# Altium PCB S3220A.PcbDoc (part 1 of 3) (continued)
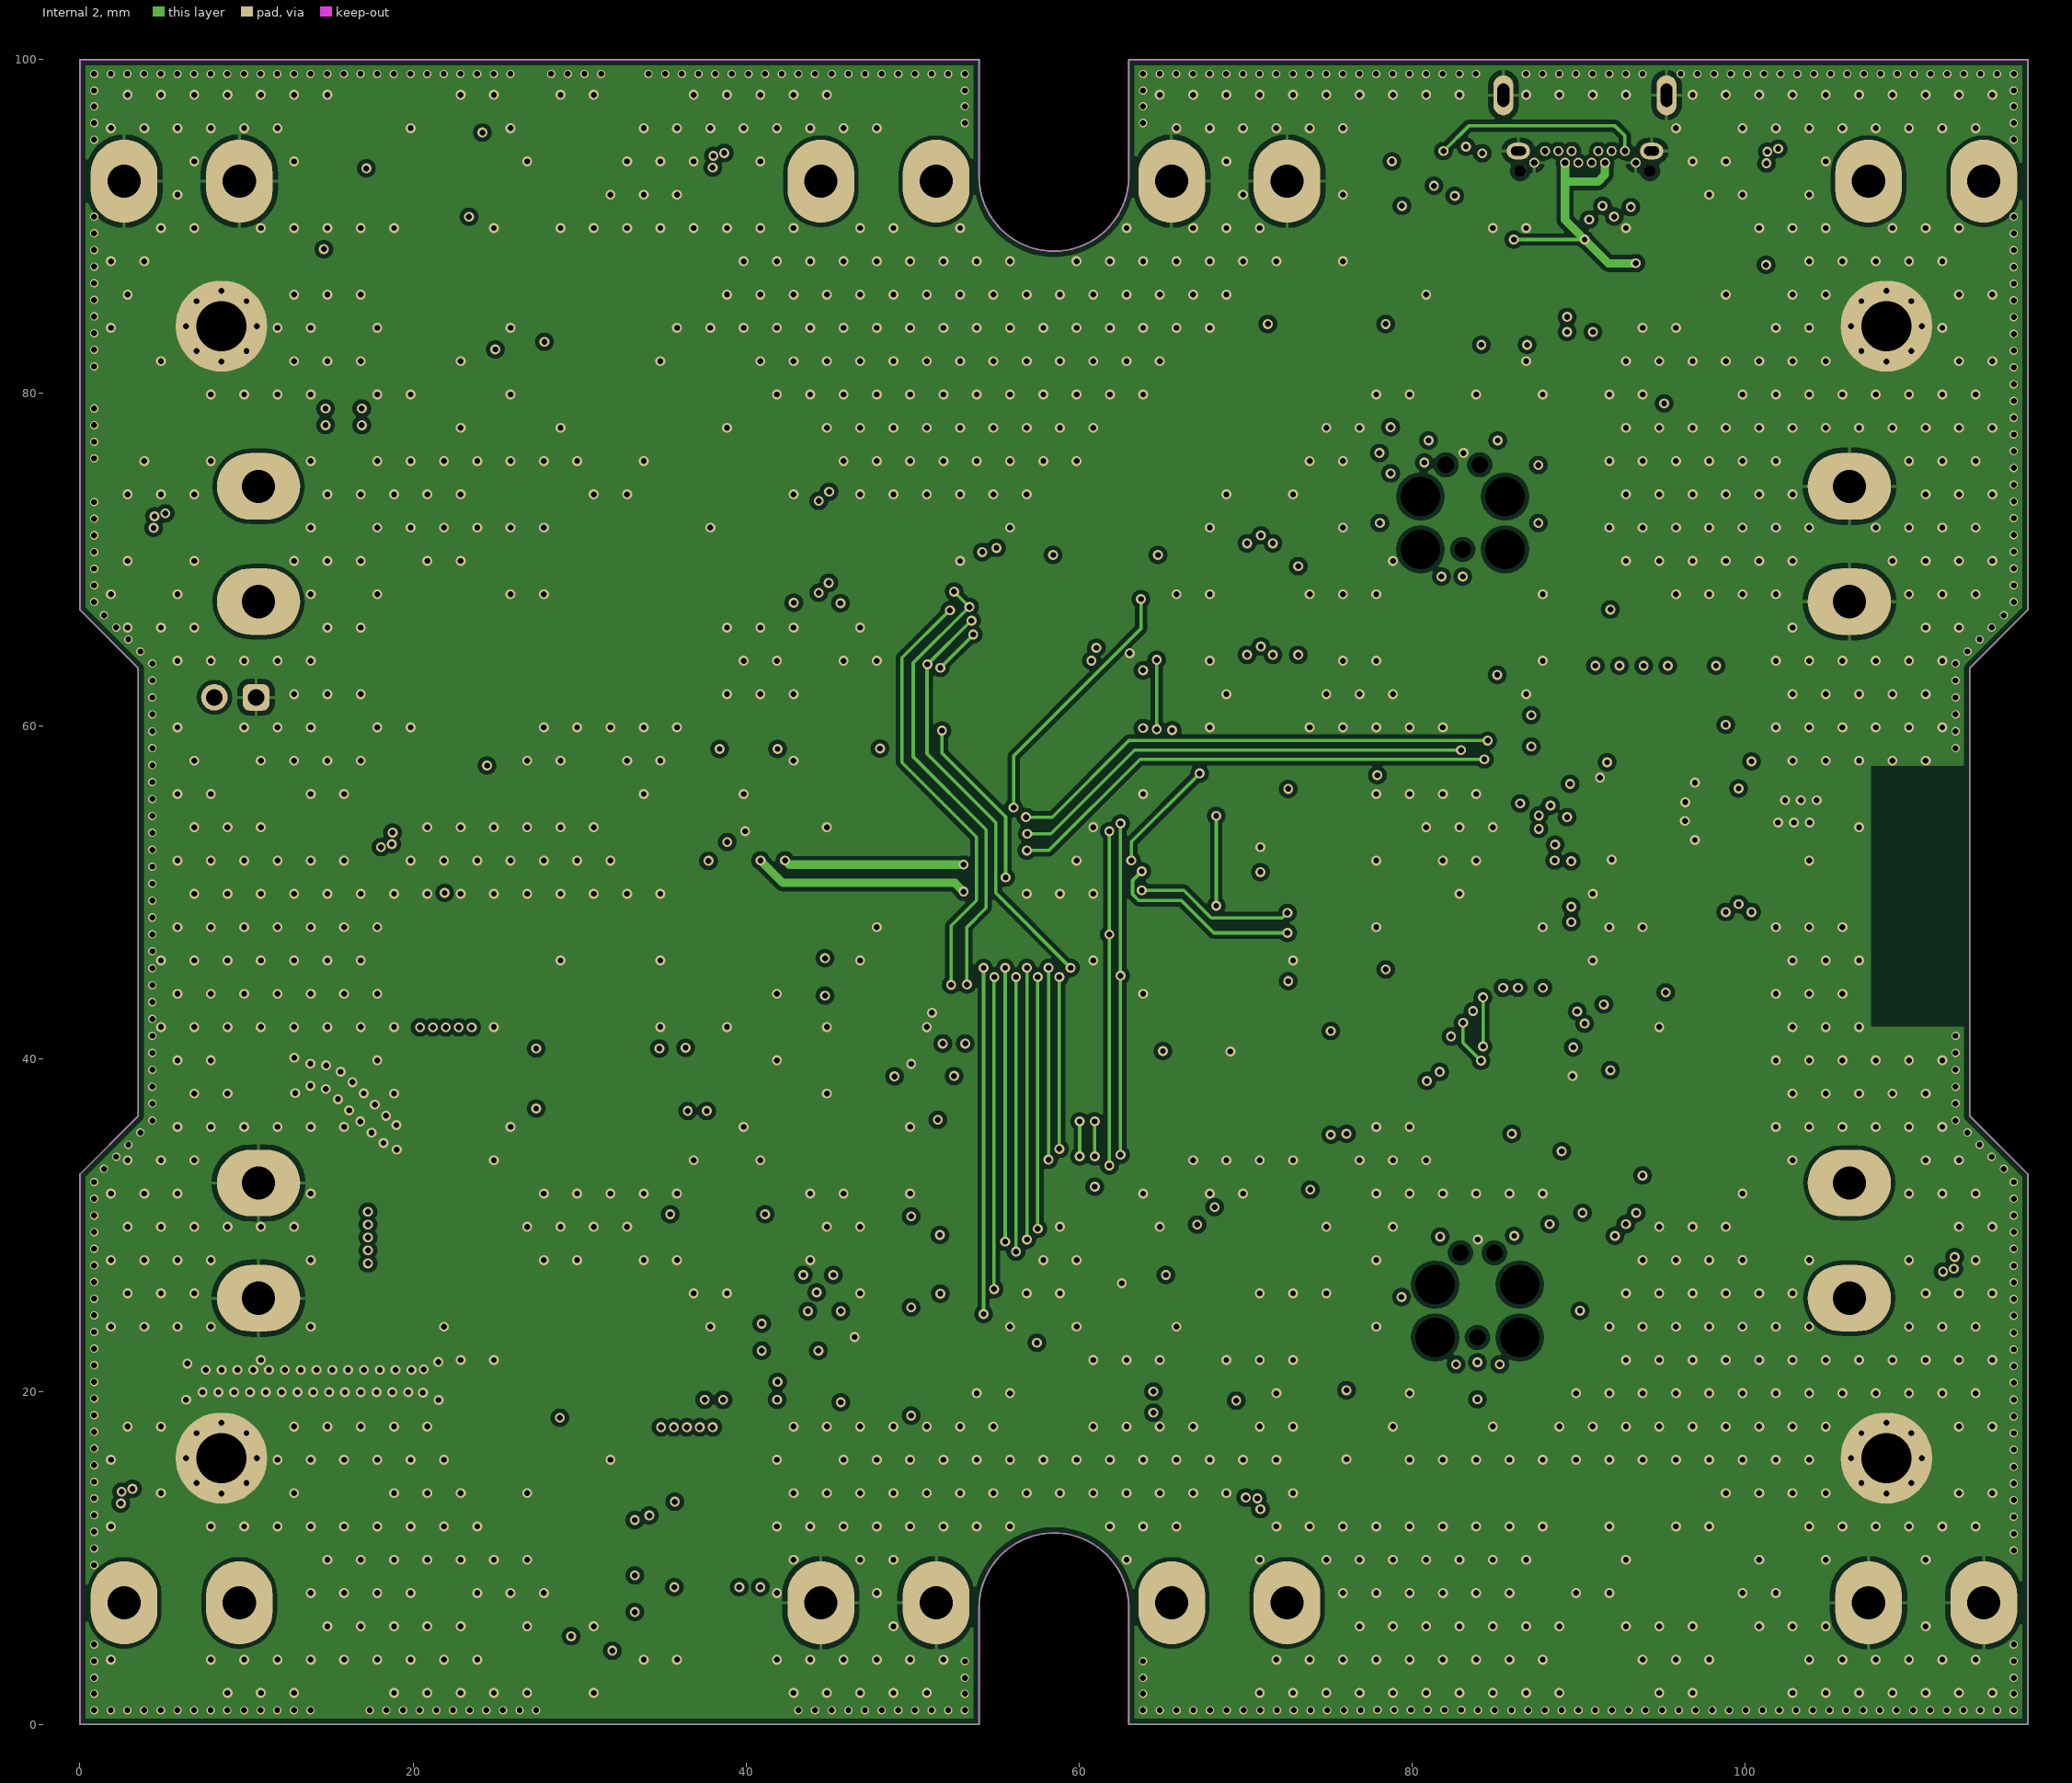
[diagram p3: Internal 2]
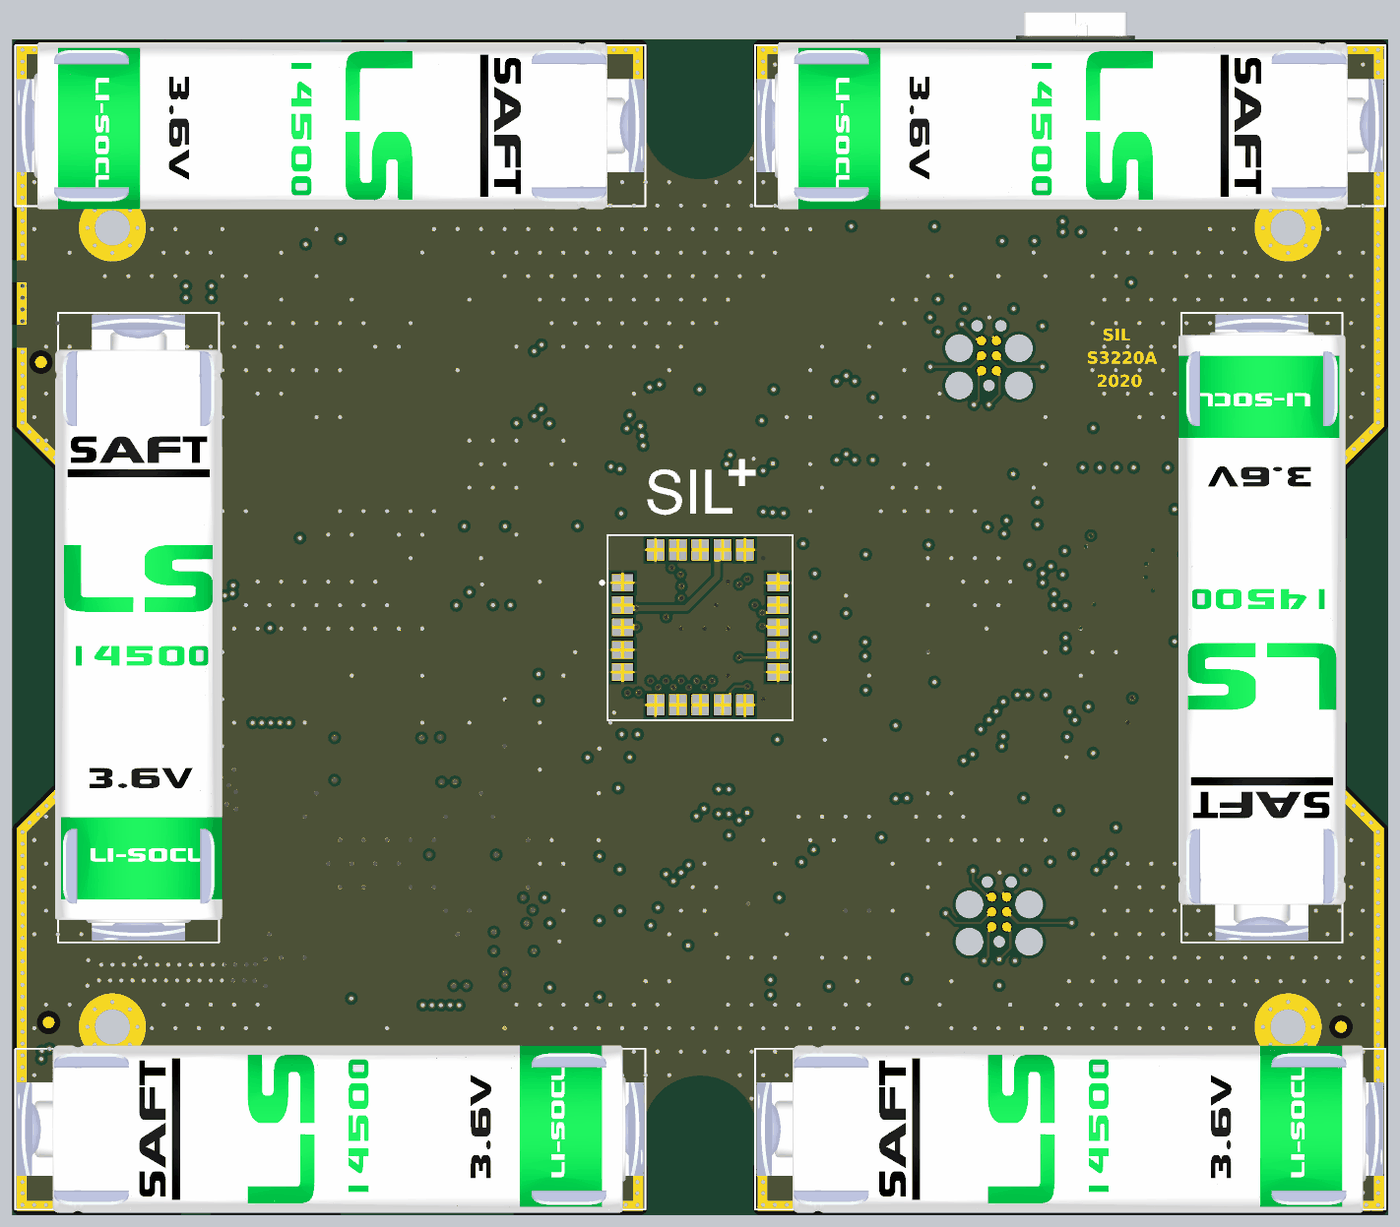
[diagram p6: 3D render of the assembled board from above, using the file's embedded part models]
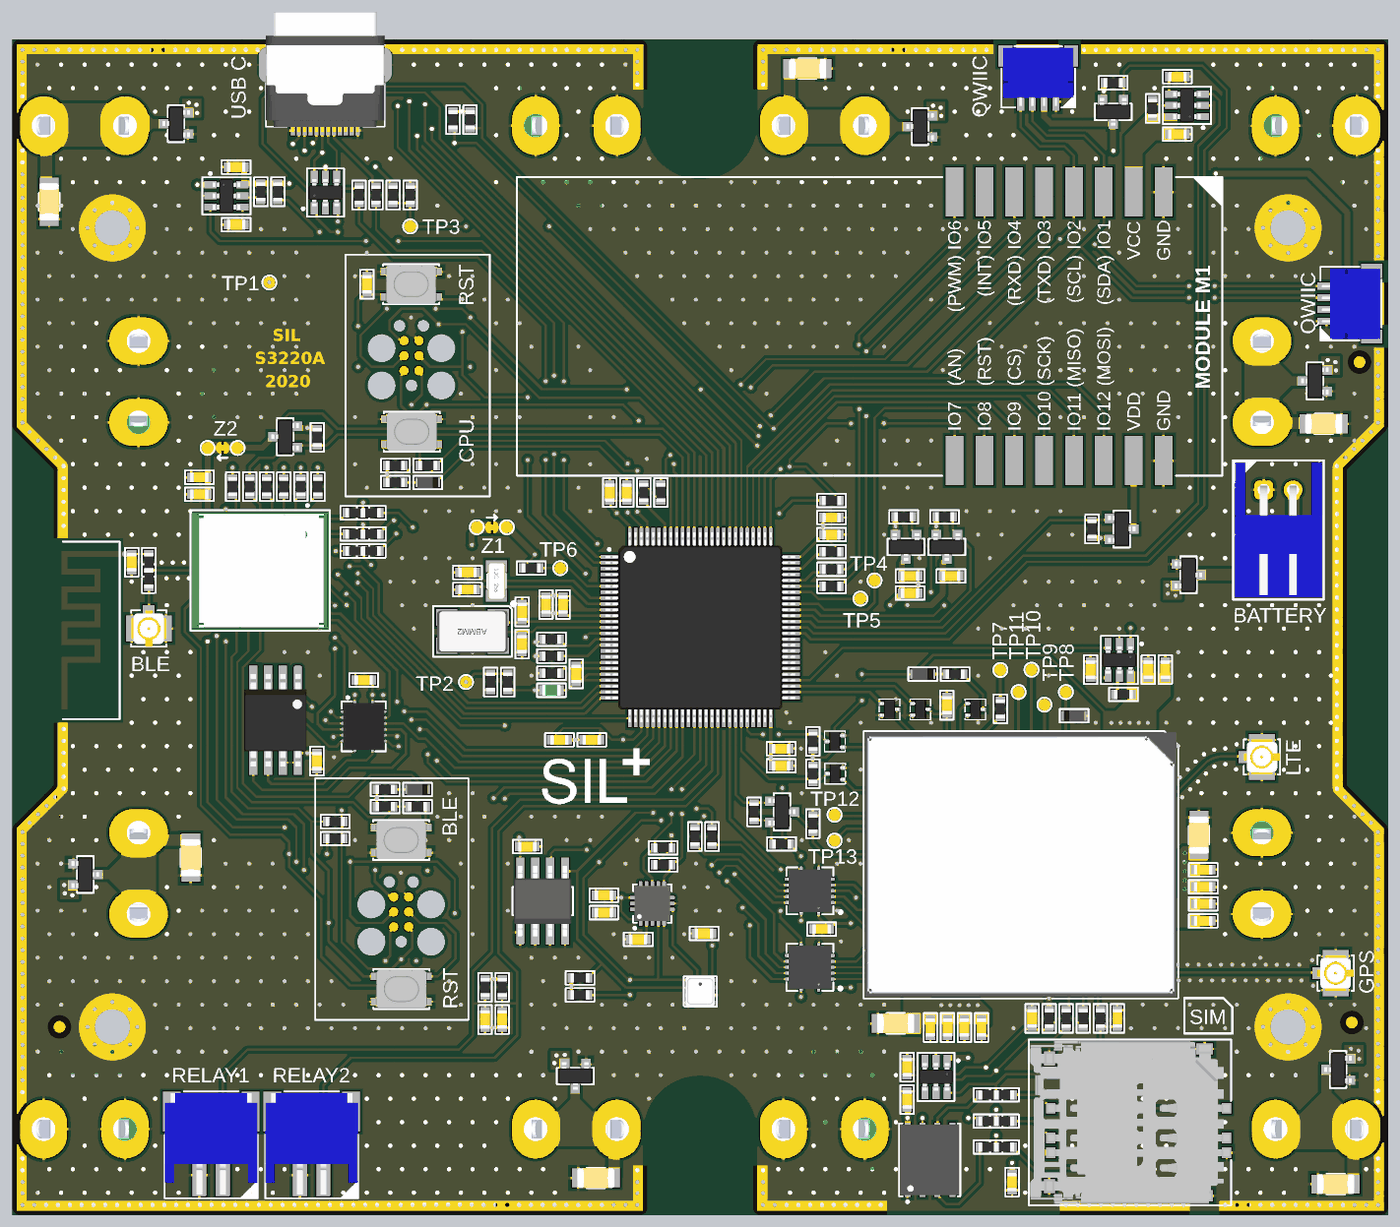
[diagram p7: 3D render of the assembled board from below, using the file's embedded part models]

## Layer stack, top to bottom
Top Solder: solder mask 0.0102, Solder Resist, Dk 3.5
Top Layer: signal copper 0.035
Dielectric1: core 0.12, FR-4, Dk 4.2
Internal 1: signal copper 0.035
Dielectric2: prepreg 1.03, FR-4, Dk 4.2
Internal 2: signal copper 0.035
Dielectric3: core 0.12, FR-4, Dk 4.2
Bottom Layer: signal copper 0.035
Bottom Solder: solder mask 0.0102, Solder Resist, Dk 3.5

## Board outline
0,0 3.5,0 54.001,0 54.001,7 cw(c58.501,7) 58.755,11.493 cw(c58.501,7) 63.001,7 63.001,0 113.5,0 113.504,0 117,0 117,33.054 113.504,36.55 113.504,50 113.5,50 113.5,63.45 117,66.95 117,100 113.5,100 63,100 63,93 cw(c58.5,93) 58.246,88.507 cw(c58.5,93) 54,93 54,100 3.5,100 0,100 0,66.95 3.5,63.45 3.5,50 3.5,36.55 0,33.05

## Design rules (kind name [scope] priority, off if disabled: settings)
AssemblyTestPointUsage [All] p1 off:
AssemblyTestpoint [All] p1 off: testpointundercomponent=TRUE minsize=1.016 maxsize=2.54 preferedsize=1.524 minholesize=0 maxholesize=1.016 preferedholesize=0.813 testpointgrid=0.025 usegrid=TRUE gridtolerance=0 allowsidetop=TRUE allowsidebottom=TRUE
Clearance Clearance_Keepout [IsKeepOut] p1: gap=0.3 ignorepadtopadclearanceinfootprint=FALSE except(0: Arc-THPad Arc-Hole Track-THPad Track-Hole SMDPad-Hole THPad-Hole Via-Hole Fill-Hole Poly-Hole Region-Hole Text-Hole)
Clearance Clearance_MountingHoles [(InComponent('H1') OR InComponent('H2') OR InComponent('H3') OR InComponent('H4') OR InComponent('H5') OR InComponent('H6') OR InComponent('H7') OR InComponent('H8') OR InComponent('H9') OR InComponent('H10') OR InComponent('H11') OR InComponent('H12'))] p2: gap=0.3 ignorepadtopadclearanceinfootprint=TRUE except(0: Arc-Hole Track-Hole SMDPad-Hole THPad-Hole Via-Hole Fill-Hole Poly-Hole Region-Hole Text-Hole)
Clearance Clearance_Poly [InPoly] p3: gap=0.25 ignorepadtopadclearanceinfootprint=FALSE except(0: Arc-Hole Track-Hole SMDPad-Hole THPad-Hole Via-Hole Fill-Hole Poly-Hole Region-Hole Text-Hole)
Clearance [All] p4: gap=0.15 ignorepadtopadclearanceinfootprint=FALSE except(0: Arc-Hole Track-Hole SMDPad-Hole THPad-Hole Via-Hole Fill-Hole Poly-Hole Region-Hole Text-Hole)
ComponentClearance ComponentClearance_Fiducial [hasfootprint('fiducial_rect') or hasfootprint('fiducial_round')] p1 off: gap=0 collisioncheckmode=3 verticalgap=0 showdistances=FALSE
ComponentClearance [All] p2 off: gap=0.254 collisioncheckmode=3 verticalgap=0.254 showdistances=FALSE
DiffPairsRouting [All] p1: maxlimit=0.254 minlimit=0.1 mostfreqgap=0.254 substack1={0831897A-B569-4EC9-9419-9F21BA437600} toplayer_{0831897a-b569-4ec9-9419-9f21ba437600}_minwidth=0.381 toplayer_{0831897a-b569-4ec9-9419-9f21ba437600}_maxwidth=0.381 toplayer_{0831897a-b569-4ec9-9419-9f21ba437600}_prefwidth=0.381 midlayer1_{0831897a-b569-4ec9-9419-9f21ba437600}_minwidth=0.381 midlayer1_{0831897a-b569-4ec9-9419-9f21ba437600}_maxwidth=0.381 midlayer1_{0831897a-b569-4ec9-9419-9f21ba437600}_prefwidth=0.381 midlayer2_{0831897a-b569-4ec9-9419-9f21ba437600}_minwidth=0.381 midlayer2_{0831897a-b569-4ec9-9419-9f21ba437600}_maxwidth=0.381 midlayer2_{0831897a-b569-4ec9-9419-9f21ba437600}_prefwidth=0.381 bottomlayer_{0831897a-b569-4ec9-9419-9f21ba437600}_minwidth=0.381 bottomlayer_{0831897a-b569-4ec9-9419-9f21ba437600}_maxwidth=0.381 bottomlayer_{0831897a-b569-4ec9-9419-9f21ba437600}_prefwidth=0.381 substack2={21D4EF4C-D300-4C99-B0F6-4B4A1F0000FE} toplayer_{21d4ef4c-d300-4c99-b0f6-4b4a1f0000fe}_minwidth=0.381 toplayer_{21d4ef4c-d300-4c99-b0f6-4b4a1f0000fe}_maxwidth=0.381 toplayer_{21d4ef4c-d300-4c99-b0f6-4b4a1f0000fe}_prefwidth=0.381 midlayer1_{21d4ef4c-d300-4c99-b0f6-4b4a1f0000fe}_minwidth=0.381 midlayer1_{21d4ef4c-d300-4c99-b0f6-4b4a1f0000fe}_maxwidth=0.381 midlayer1_{21d4ef4c-d300-4c99-b0f6-4b4a1f0000fe}_prefwidth=0.381 midlayer2_{21d4ef4c-d300-4c99-b0f6-4b4a1f0000fe}_minwidth=0.381 midlayer2_{21d4ef4c-d300-4c99-b0f6-4b4a1f0000fe}_maxwidth=0.381 midlayer2_{21d4ef4c-d300-4c99-b0f6-4b4a1f0000fe}_prefwidth=0.381 bottomlayer_{21d4ef4c-d300-4c99-b0f6-4b4a1f0000fe}_minwidth=0.381 bottomlayer_{21d4ef4c-d300-4c99-b0f6-4b4a1f0000fe}_maxwidth=0.381 bottomlayer_{21d4ef4c-d300-4c99-b0f6-4b4a1f0000fe}_prefwidth=0.381 substack3={3C6CCAA1-9B3A-4FEC-B577-5C331C2AFBF2} toplayer_{3c6ccaa1-9b3a-4fec-b577-5c331c2afbf2}_minwidth=0.381 toplayer_{3c6ccaa1-9b3a-4fec-b577-5c331c2afbf2}_maxwidth=0.381 toplayer_{3c6ccaa1-9b3a-4fec-b577-5c331c2afbf2}_prefwidth=0.381 midlayer1_{3c6ccaa1-9b3a-4fec-b577-5c331c2afbf2}_minwidth=0.381 midlayer1_{3c6ccaa1-9b3a-4fec-b577-5c331c2afbf2}_maxwidth=0.381 midlayer1_{3c6ccaa1-9b3a-4fec-b577-5c331c2afbf2}_prefwidth=0.381 midlayer2_{3c6ccaa1-9b3a-4fec-b577-5c331c2afbf2}_minwidth=0.381 midlayer2_{3c6ccaa1-9b3a-4fec-b577-5c331c2afbf2}_maxwidth=0.381 midlayer2_{3c6ccaa1-9b3a-4fec-b577-5c331c2afbf2}_prefwidth=0.381 bottomlayer_{3c6ccaa1-9b3a-4fec-b577-5c331c2afbf2}_minwidth=0.381 bottomlayer_{3c6ccaa1-9b3a-4fec-b577-5c331c2afbf2}_maxwidth=0.381 bottomlayer_{3c6ccaa1-9b3a-4fec-b577-5c331c2afbf2}_prefwidth=0.381 substack4={2A0F2687-472E-46A3-99A0-7001E7CD4A62} toplayer_{2a0f2687-472e-46a3-99a0-7001e7cd4a62}_minwidth=0.381 toplayer_{2a0f2687-472e-46a3-99a0-7001e7cd4a62}_maxwidth=0.381 toplayer_{2a0f2687-472e-46a3-99a0-7001e7cd4a62}_prefwidth=0.381 midlayer1_{2a0f2687-472e-46a3-99a0-7001e7cd4a62}_minwidth=0.381 midlayer1_{2a0f2687-472e-46a3-99a0-7001e7cd4a62}_maxwidth=0.381 midlayer1_{2a0f2687-472e-46a3-99a0-7001e7cd4a62}_prefwidth=0.381 midlayer2_{2a0f2687-472e-46a3-99a0-7001e7cd4a62}_minwidth=0.381 midlayer2_{2a0f2687-472e-46a3-99a0-7001e7cd4a62}_maxwidth=0.381 midlayer2_{2a0f2687-472e-46a3-99a0-7001e7cd4a62}_prefwidth=0.381 bottomlayer_{2a0f2687-472e-46a3-99a0-7001e7cd4a62}_minwidth=0.381 bottomlayer_{2a0f2687-472e-46a3-99a0-7001e7cd4a62}_maxwidth=0.381 bottomlayer_{2a0f2687-472e-46a3-99a0-7001e7cd4a62}_prefwidth=0.381 toplayer_minwidth=0.2 toplayer_maxwidth=0.381 toplayer_prefwidth=0.381 midlayer1_minwidth=0.2 midlayer1_maxwidth=0.381 midlayer1_prefwidth=0.381 midlayer2_minwidth=0.2 midlayer2_maxwidth=0.381 midlayer2_prefwidth=0.381 bottomlayer_minwidth=0.2 bottomlayer_maxwidth=0.381 bottomlayer_prefwidth=0.381 substack5={A8AF2955-F7AC-4CB4-B25E-03D183D60EC5} toplayer_{a8af2955-f7ac-4cb4-b25e-03d183d60ec5}_minwidth=0.381 toplayer_{a8af2955-f7ac-4cb4-b25e-03d183d60ec5}_maxwidth=0.381 toplayer_{a8af2955-f7ac-4cb4-b25e-03d183d60ec5}_prefwidth=0.381 midlayer1_{a8af2955-f7ac-4cb4-b25e-03d183d60ec5}_minwidth=0.381 midlayer1_{a8af2955-f7ac-4cb4-b25e-03d183d60ec5}_maxwidth=0.381 midlayer1_{a8af2955-f7ac-4cb4-b25e-03d183d60ec5}_prefwidth=0.381 midlayer2_{a8af2955-f7ac-4cb4-b25e-03d183d60ec5}_minwidth=0.381 midlayer2_{a8af2955-f7ac-4cb4-b25e-03d183d60ec5}_maxwidth=0.381 midlayer2_{a8af2955-f7ac-4cb4-b25e-03d183d60ec5}_prefwidth=0.381 bottomlayer_{a8af2955-f7ac-4cb4-b25e-03d183d60ec5}_minwidth=0.381 bottomlayer_{a8af2955-f7ac-4cb4-b25e-03d183d60ec5}_maxwidth=0.381 bottomlayer_{a8af2955-f7ac-4cb4-b25e-03d183d60ec5}_prefwidth=0.381 substack6={6B46C634-B481-4FD2-94BD-3ED6FF6D387E} toplayer_{6b46c634-b481-4fd2-94bd-3ed6ff6d387e}_minwidth=0.381 toplayer_{6b46c634-b481-4fd2-94bd-3ed6ff6d387e}_maxwidth=0.381 toplayer_{6b46c634-b481-4fd2-94bd-3ed6ff6d387e}_prefwidth=0.381 midlayer1_{6b46c634-b481-4fd2-94bd-3ed6ff6d387e}_minwidth=0.381 midlayer1_{6b46c634-b481-4fd2-94bd-3ed6ff6d387e}_maxwidth=0.381 midlayer1_{6b46c634-b481-4fd2-94bd-3ed6ff6d387e}_prefwidth=0.381 midlayer2_{6b46c634-b481-4fd2-94bd-3ed6ff6d387e}_minwidth=0.381 midlayer2_{6b46c634-b481-4fd2-94bd-3ed6ff6d387e}_maxwidth=0.381 midlayer2_{6b46c634-b481-4fd2-94bd-3ed6ff6d387e}_prefwidth=0.381 bottomlayer_{6b46c634-b481-4fd2-94bd-3ed6ff6d387e}_minwidth=0.381 bottomlayer_{6b46c634-b481-4fd2-94bd-3ed6ff6d387e}_maxwidth=0.381 bottomlayer_{6b46c634-b481-4fd2-94bd-3ed6ff6d387e}_prefwidth=0.381 substack7={EC66E4C1-0CD2-419F-ADE8-AF473D2488EA} toplayer_{ec66e4c1-0cd2-419f-ade8-af473d2488ea}_minwidth=0.381 toplayer_{ec66e4c1-0cd2-419f-ade8-af473d2488ea}_maxwidth=0.381 toplayer_{ec66e4c1-0cd2-419f-ade8-af473d2488ea}_prefwidth=0.381 midlayer1_{ec66e4c1-0cd2-419f-ade8-af473d2488ea}_minwidth=0.381 midlayer1_{ec66e4c1-0cd2-419f-ade8-af473d2488ea}_maxwidth=0.381 midlayer1_{ec66e4c1-0cd2-419f-ade8-af473d2488ea}_prefwidth=0.381 midlayer2_{ec66e4c1-0cd2-419f-ade8-af473d2488ea}_minwidth=0.381 midlayer2_{ec66e4c1-0cd2-419f-ade8-af473d2488ea}_maxwidth=0.381 midlayer2_{ec66e4c1-0cd2-419f-ade8-af473d2488ea}_prefwidth=0.381 bottomlayer_{ec66e4c1-0cd2-419f-ade8-af473d2488ea}_minwidth=0.381 bottomlayer_{ec66e4c1-0cd2-419f-ade8-af473d2488ea}_maxwidth=0.381 bottomlayer_{ec66e4c1-0cd2-419f-ade8-af473d2488ea}_prefwidth=0.381 maxuncoupledlength=12.7
FabricationTestPointUsage [All] p1 off: valid=0 allowmultiple=FALSE
FabricationTestpoint [All] p1 off: side=3 testpointundercomponent=TRUE minsize=1.016 maxsize=2.54 preferedsize=1.524 minholesize=0 maxholesize=1.016 preferedholesize=0.813 testpointgrid=0.025 allowsidetop=TRUE allowsidebottom=TRUE usegrid=TRUE gridtolerance=0
FanoutControl Fanout_BGA [IsBGA] p1: bgadir=Out bgaviamode=Centered fanoutstyle=BGA fanoutdirection=Alternating viagrid=0.025 // Fanout_BGA (Default Rule)
Height [All] p1: minheight=0 maxheight=30 prefheight=12.7
HoleSize [All] p1: absolutevalues=TRUE maxlimit=5 minlimit=0.35 maxpercent=80.000 minpercent=20.000
MinimumSolderMaskSliver [All] p1: minsoldermaskwidth=0
PlaneClearance [All] p1: clearance=0.2
PlaneConnect PlaneConnect_MountingHoles [(InComponent('H1') OR InComponent('H2') OR InComponent('H3') OR InComponent('H4') OR InComponent('H5') OR InComponent('H6') OR InComponent('H7') OR InComponent('H8') OR InComponent('H9') OR InComponent('H10') OR InComponent('H11') OR InComponent('H12'))] p1: planeconnectstyle=Direct reliefexpansion=0.508 reliefentries=4 reliefconductorwidth=0.254 reliefairgap=0.254
PlaneConnect PlaneConnect_Via [isvia] p2: planeconnectstyle=Direct reliefexpansion=0.508 reliefentries=4 reliefconductorwidth=0.254 reliefairgap=0.254
PlaneConnect [All] p3: planeconnectstyle=Relief reliefexpansion=0.254 reliefentries=4 reliefconductorwidth=0.508 reliefairgap=0.254
PolygonConnect PolygonConnect_MountingHoles [(InComponent('H1') OR InComponent('H2') OR InComponent('H3') OR InComponent('H4'))] p1: connectstyle=Direct reliefconductorwidth=0.254 reliefentries=4 polygonreliefangle="90 Angle" airgapwidth=0.254
PolygonConnect PolygonConnect_SR [(ObjectKind = 'Component') And (Footprint = 'BGA81C80P3X3_290X230X110')] p2: connectstyle=Relief reliefconductorwidth=0.2 reliefentries=4 polygonreliefangle="90 Angle" airgapwidth=0.254
PolygonConnect PolygonConnect_TMP103 [HasFootprint('BGA4C40P2X2_76X76X62')] p3: connectstyle=Relief reliefconductorwidth=0.152 reliefentries=4 polygonreliefangle="90 Angle" airgapwidth=0.305
PolygonConnect PolygonConnect_Via [IsVia] p4: connectstyle=Direct reliefconductorwidth=0.254 reliefentries=4 polygonreliefangle="90 Angle" airgapwidth=0.254
PolygonConnect [All] p5: connectstyle=Relief reliefconductorwidth=0.2 reliefentries=4 polygonreliefangle="90 Angle" airgapwidth=0.305
RoutingLayers [All] p1: top layer_v5=TRUE mid layer 1_v5=FALSE mid layer 2_v5=FALSE bottom layer_v5=TRUE
RoutingVias [All] p1: holewidth=0.25 width=0.5 viastyle="Through Hole" minholewidth=0.25 minwidth=0.5 maxholewidth=0.5 maxwidth=1
SMDNeckDown [All] p1 off: percent=50.000
ShortCircuit ShortCircuit_MountingHoles [(InComponent('H1') OR InComponent('H2') OR InComponent('H3') OR InComponent('H4') OR InComponent('H5') OR InComponent('H6') OR InComponent('H7') OR InComponent('H8') OR InComponent('H9') OR InComponent('H10') OR InComponent('H11') OR InComponent('H12'))] p1: allowed=TRUE
ShortCircuit [All] p2: allowed=FALSE
SilkToSilkClearance [All] p1 off: silktosilkclearance=0.254
SilkToSolderMaskClearance SilkscreenOverComponentPads [IsPad] p1 off: minsilkscreentomaskgap=0.254 clearancetoexposedcopper=TRUE
SolderMaskExpansion SolderMaskExpansion_1 [IsKeepOut] p1: expansion=1 istentingtop=FALSE
SolderMaskExpansion [All] p2: expansion=0.1 istentingtop=FALSE useseparateexpansions=TRUE expansionbottom=0.1 istentingbottom=FALSE
UnRoutedNet [All] p1: checkbadconnections=TRUE
Width Width_CASE [InNet('CASE')] p1: maxlimit=2.54 minlimit=0.203 preferedwidth=0.508 substack1={0831897A-B569-4EC9-9419-9F21BA437600} substack2={21D4EF4C-D300-4C99-B0F6-4B4A1F0000FE} substack3={3C6CCAA1-9B3A-4FEC-B577-5C331C2AFBF2} substack4={2A0F2687-472E-46A3-99A0-7001E7CD4A62} substack5={A8AF2955-F7AC-4CB4-B25E-03D183D60EC5} substack6={6B46C634-B481-4FD2-94BD-3ED6FF6D387E} substack7={EC66E4C1-0CD2-419F-ADE8-AF473D2488EA}
Width [All] p2: maxlimit=2.54 minlimit=0.152 preferedwidth=0.203 substack1={0831897A-B569-4EC9-9419-9F21BA437600} substack2={21D4EF4C-D300-4C99-B0F6-4B4A1F0000FE} substack3={3C6CCAA1-9B3A-4FEC-B577-5C331C2AFBF2} substack4={2A0F2687-472E-46A3-99A0-7001E7CD4A62} substack5={A8AF2955-F7AC-4CB4-B25E-03D183D60EC5} substack6={6B46C634-B481-4FD2-94BD-3ED6FF6D387E} substack7={EC66E4C1-0CD2-419F-ADE8-AF473D2488EA}
13 further rules are at their usual default settings.
